# Altium PCB Board.PcbDoc (part 2 of 4)
Units mm, origin at the board's own origin, x right, y up, seen from the top; angles counter-clockwise.
Board outline 69.6 x 30 mm, 6 copper layers (Top Layer, Int1 (GND), Int2 (Sign), Int3 (Sign), Int4 (PWR), Bottom Layer), stack 1.538 mm thick; 168 components, 266 nets, 1359 pads, 531 vias.
Unrouted connection lines stored in the file: 254.
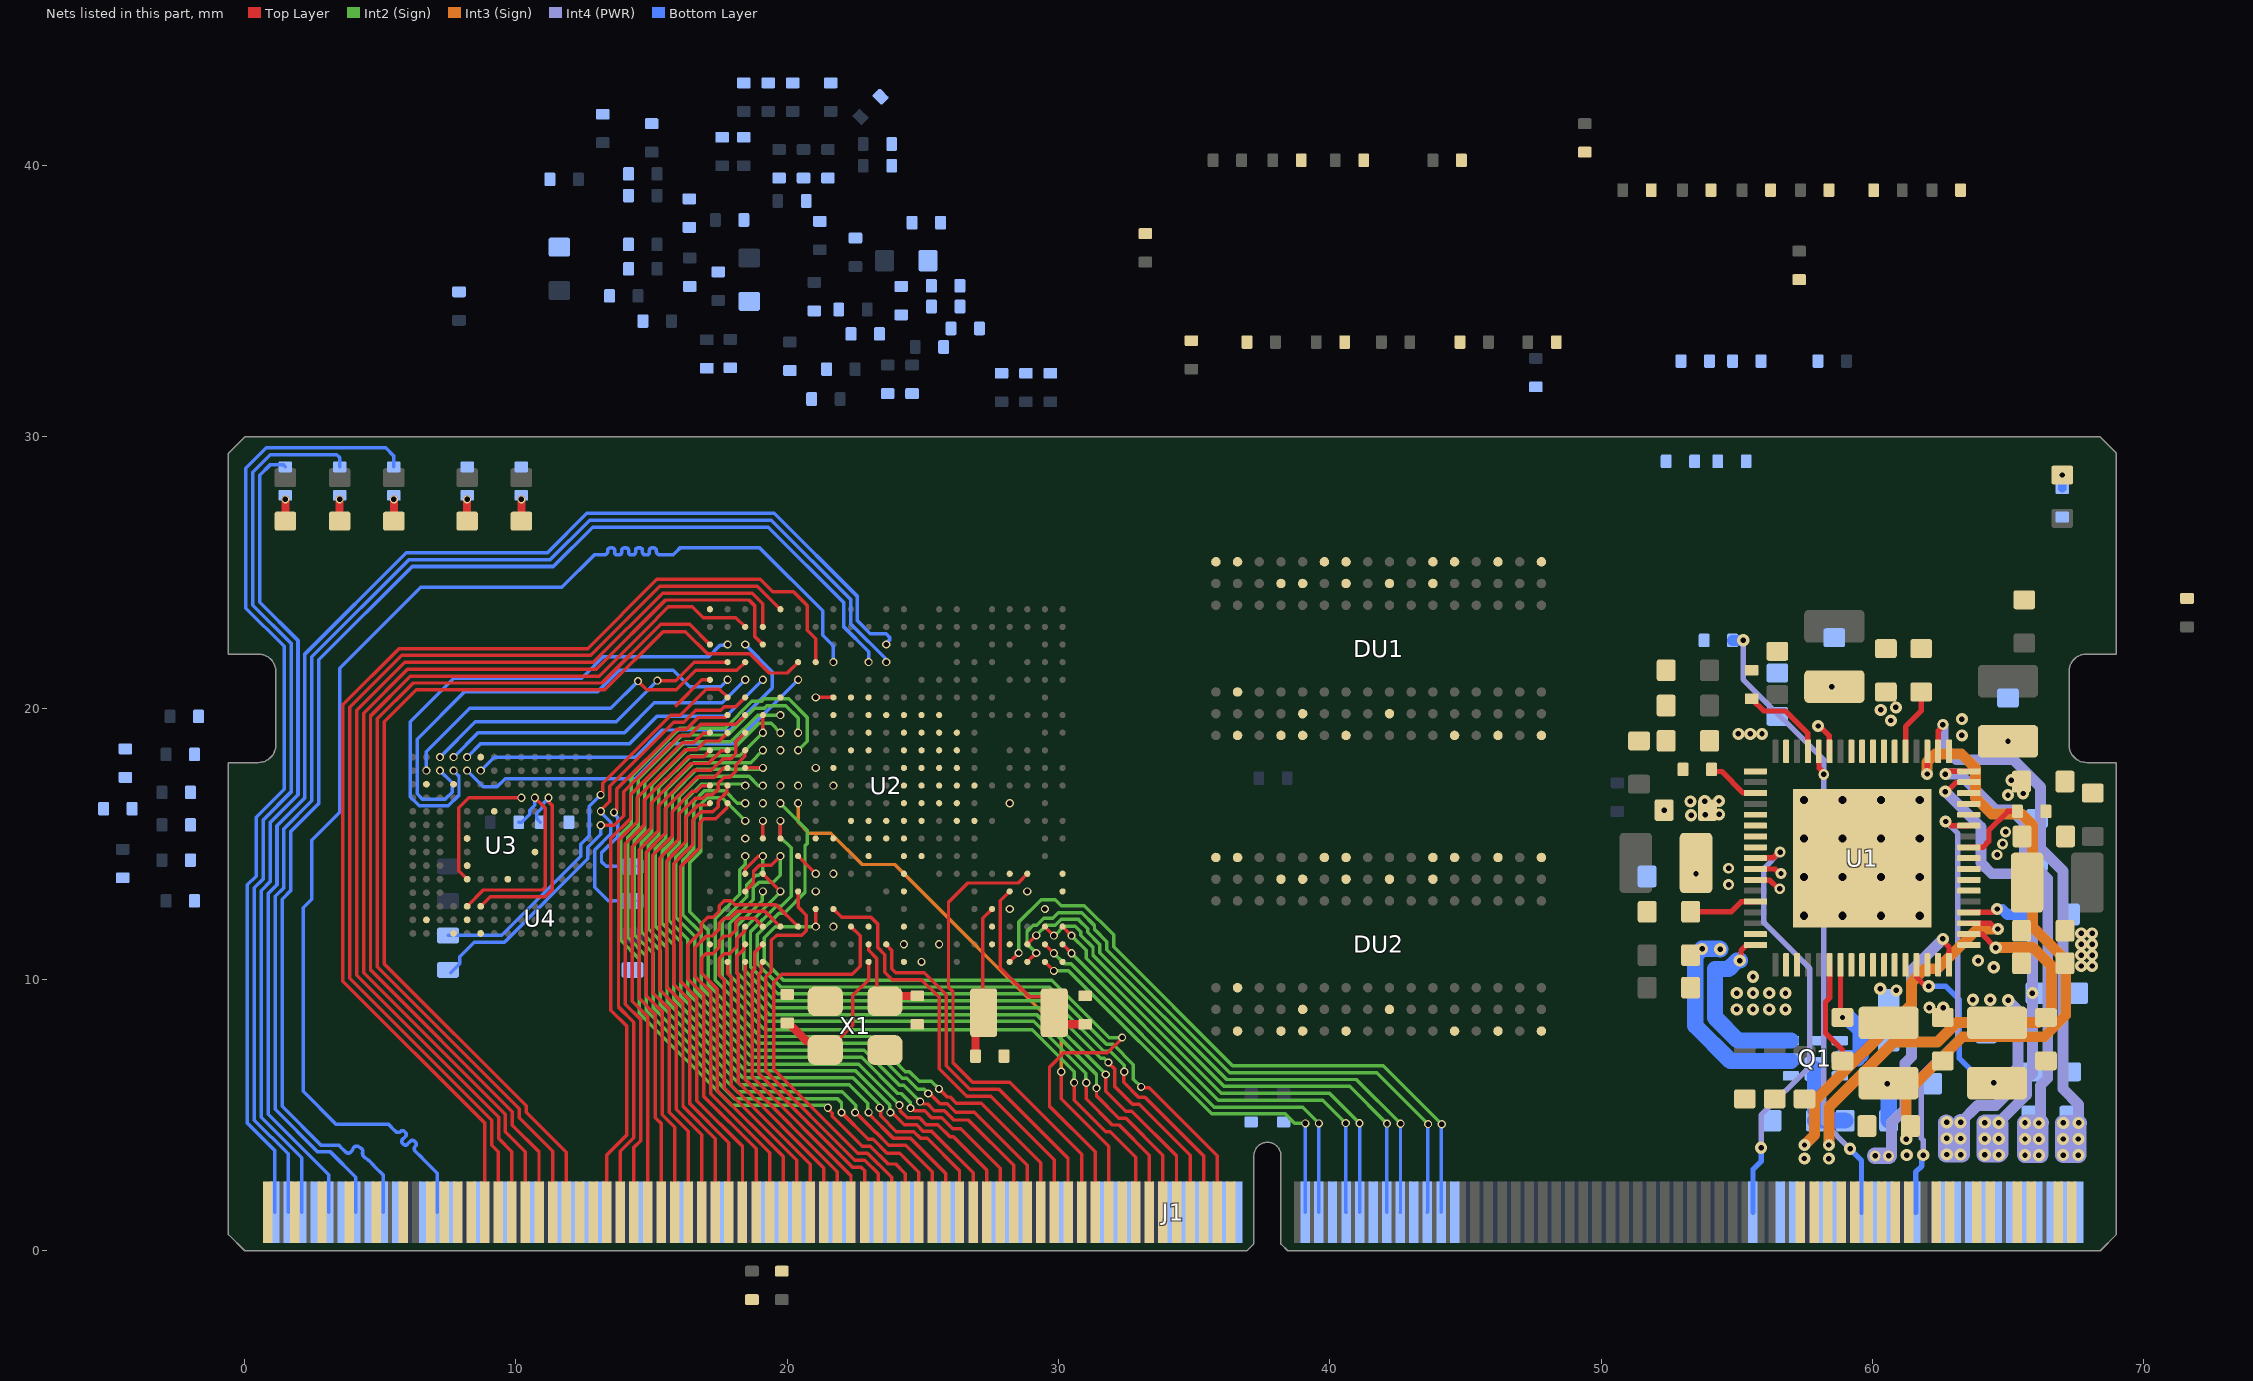
[diagram p6: the nets of this part, all layers, seen from the top]

## Part data
C1 C2 C3 C5 C25 C35 C36 C40 C41 C53 C61 C63 C67 C69 C71 C72 C73 C78 C85 C86 C97 C98 C104 C105 C118: library part C_1UF
C4 C7 C9 C10 C11 C12 C13 C17 C18 C19 C23 C24 C27 C28 C31 C32 C33 C34 C39 C44 C46 C47 C65 C84 C96 C103: library part C_10UF
C6 C8 C20 C48 C49 C50 C51 C52 C55 C68: library part C_4.7UF
C14 C15 C16 C30 C45: library part C_1NF
C21 C22: library part C_22UF
C26 C29 C37 C38 C42 C43 C54 C60 C62 C64 C66 C70 C74 C75 C76 C77 C79 C80 C81 C82 C83 C87 C88 C89 C90 C91 C92 C93 C94 C95 C99 C100 C101 C102 C106 C107 C108 C109 C110 C111 C112 C113 C114 C115 C116 C117: library part C_0.1UF
C56 C57: library part C_5PF
C58 C59: library part C_15PF
L1: library part L_1.5UH
L2 L3 L4 L5 L6: library part L_2.2UH
R1 R3 R4 R8 R27 R28: library part R_330R
R2 R16 R17: library part R_10K_P1
R5 R7: library part R_2.2K
R6 R10 R12: library part R_0R
R9: library part R_51K
R11: library part R_2R_P1
R13: library part R_47K
R14: library part R_100K_P1
R15: library part R_220K_P1
R18: library part R_33R
R19 R20 R21 R22 R23: library part R_240R_P1
R24 R25: library part R_2K_P1
R26: library part R_100R
X1: library part X_24MHZ
X2: library part X_32768HZ

## Via types
v1: diameter 0.3, hole 0.2, Top Layer to Bottom Layer, tented both sides, 363 vias
v2: diameter 0.45, hole 0.2, Top Layer to Bottom Layer, tented both sides, 117 vias
v3: diameter 0.4, hole 0.2, Top Layer to Bottom Layer, tented both sides, 35 vias
v4: diameter 0.8, hole 0.3, Top Layer to Bottom Layer, 16 vias

## Nets (pads, with @x,y where several pads share a name; then routed paths per layer and width w, separated by ;. In a path a pad name is that pad's centre, name@x,y a point inside that pad or via, vN(x,y) a via of type N, cw(c..) or ccw(c..) an arc to the next point about the centre after c; other vN are vias at no path point)
EMMC_CMD: R17.1 U2.E16 U3.M5 | length 7.8
  Top Layer w0.127: U3.M5@8.2,12.7 8.8,13.3 10.977,13.3 11.075,13.399 11.075,16.325 v1(10.7,16.7)
  Bottom Layer w0.127: R17.1@10.1,15.8 10.213,15.8 10.51,16.096 10.51,16.242 10.7,16.432 v1(10.7,16.7)
EMMC_D0: U2.B18 U3.A3 | length 12.1
  Top Layer w0.127: v1(15.212,21.018) 15.888,21.018 16.57,21.7 U2.B18@17.8,21.7
  Bottom Layer w0.127: v1(7.2,18.2) 8.501,19.501 13.699,19.501 v1(15.212,21.018) v1(15.212,21.018)
EMMC_D1: U2.C17 U3.A4 | length 11.9
  Bottom Layer w0.127: v1(7.7,18.2) 8.6,19.1 14,19.1 15.1,20.2 17.6,20.2 v1(18.45,21.05)
EMMC_D2: U2.D17 U3.A5 | length 12.1
  Bottom Layer w0.127: v1(8.2,18.2) 8.7,18.7 14.2,18.7 15.2,19.7 17.75,19.7 v1(19.1,21.05)
EMMC_D3: U2.C18 U3.B2 | length 14.1
  Top Layer w0.127: v1(14.5,21) 14.823,20.677 15.906,20.677 16.623,21.395 18.145,21.395 U2.C18@18.45,21.7
  Bottom Layer w0.127: v1(6.7,17.7) 6.7,18.4 8.3,20 13.5,20 v1(14.5,21)
EMMC_D4: U2.B17 U3.B3 | length 17.3
  Bottom Layer w0.127: v1(7.2,17.7) 7.646,17.254 7.646,16.905 7.395,16.654 6.546,16.654 6.354,16.846 6.354,18.854 8.1,20.6 13,20.6 13.8,21.4 15.8,21.4 16.4,20.8 17.55,20.8 v1(17.8,21.05)
EMMC_D5: U2.B19 U3.B4 | length 18.7
  Bottom Layer w0.127: v1(7.7,17.7) 7.9,17.5 7.9,16.8 7.5,16.4 6.441,16.4 6.1,16.741 6.1,19.5 7.7,21.1 12.42,21.1 13.22,21.9 17.1,21.9 17.522,22.322 17.778,22.322 v1@17.8,22.3
  other v1: 17.8,22.35
EMMC_D6: U2.F17 U3.B5 | length 14.1
  Bottom Layer w0.127: v1(8.2,17.7) 8.8,17.1 9.3,17.1 9.6,17.4 14.4,17.4 15.7,18.7 18.05,18.7 v1(20.4,21.05)
EMMC_D7: U2.C19 U3.B6 | length 14
  Bottom Layer w0.127: v1(8.7,17.7) 9.2,18.2 14.4,18.2 15.4,19.2 17.9,19.2 19.447,20.747 19.447,21.353 v1(18.45,22.35)
EMMC_RST: U2.H16 U3.K5 | length 5.9
  Top Layer w0.127: U3.K5@8.2,13.7 7.884,14.015 7.884,16.331 8.254,16.7 v1(10.2,16.7) ; v1(21.05,20.4) U2.H16@21.7,20.4
FLASH_CLK: U2.B16 U4.6 | length 15.3
  Top Layer w0.127: v1(13.119,16.809) 13.206,16.896 13.206,17.235 15.713,19.741 16.051,19.741 17.015,20.706 17.494,20.706 U2.B16@17.8,20.4
  Bottom Layer w0.127: U4.6@7.495,11.63 9.471,11.63 12.392,14.551 12.392,14.985 12.7,15.293 12.7,16.39 v1(13.119,16.809)
FLASH_CS: R16.2 U2.B15 U4.1 | length 9.6
  Top Layer w0.127: v1(13.613,16.161) 13.714,16.261 13.714,17.024 15.923,19.233 16.288,19.233 16.714,19.659 17.709,19.659 U2.B15@17.8,19.75
  Bottom Layer w0.127: v1(13.613,16.161) 13.613,16.114 13.754,15.974 13.754,15.269 13.154,14.669 13.154,14.346 13.33,14.17 U4.1@14.4,14.17
FLASH_MISO: U2.C16 U4.2 | length 12.3
  Top Layer w0.127: v1(13.133,16.204) 13.133,16.245 13.46,16.573 13.46,17.129 15.818,19.487 16.183,19.487 16.621,19.926 17.544,19.926 17.673,20.056 18.106,20.056 U2.C16@18.45,20.4
  Bottom Layer w0.127: v1(13.133,16.204) 13.133,16.16 13.5,15.793 13.5,15.374 12.9,14.774 12.9,13.4 13.4,12.9 U4.2@14.4,12.9
FLASH_MOSI: U2.C15 U4.5 | length 15.9
  Top Layer w0.127: v1(13.126,15.686) 13.62,15.686 13.968,16.034 13.968,16.919 16.028,18.979 16.393,18.979 16.819,19.405 18.105,19.405 U2.C15@18.45,19.75
  Bottom Layer w0.127: U4.5@7.593,10.257 7.923,10.586 7.923,10.84 8.458,11.376 9.576,11.376 12.646,14.446 12.646,14.88 13.125,15.359 v1(13.126,15.686)
GND: C1.2 C2.2 C4.1 C6.2 C7.1 C8.2 C9.1 C10.2 C11.2 C12.2 C13.1 C14.2 C15.2 C16.2 C17.2 C18.2 C19.2 C20.2 C21.1 C22.1 C23.1 C24.1 C25.1 C26.1 C27.2 C28.2 C29.1 C30.2 C31.2 C32.2 C33.2 C34.1 C35.1 C36.1 C37.1 C38.1 C39.1 C40.1 C41.1 C42.1 C43.1 C44.2 C45.2 C46.2 C47.2 C48.1 C49.1 C50.1 C51.1 C52.1 C53.1 C54.1 C55.1 C56.2 C57.2 C58.2 C59.2 C60.1 C61.1 C62.1 C63.1 C64.1 C65.2 C66.2 C67.2 C68.2 C69.1 C70.1 C71.2 C72.1 C73.1 C74.1 C75.1 C76.1 C77.1 C78.1 C79.1 C81.1 C82.1 C83.1 C84.1 C85.1 C86.2 C87.1 C88.1 C89.1 C90.1 C91.1 C92.1 C93.1 C94.1 C95.1 C96.1 C97.1 C98.2 C99.1 C100.1 C101.1 C102.1 C103.1 C104.1 C105.2 C106.1 C107.1 C108.1 C109.1 C110.1 C111.1 C112.1 C113.1 C114.1 C115.1 C116.1 C117.1 C118.1 DU1.A9 DU1.B1 DU1.B3 DU1.B9 DU1.D1 DU1.D8 DU1.E1 DU1.E2 DU1.E8 DU1.F9 DU1.G1 DU1.G8 DU1.G9 DU1.J2 DU1.J8 DU1.M1 DU1.M9 DU1.P1 DU1.P9 DU1.T1 DU1.T9 DU2.A9 DU2.B1 DU2.B3 DU2.B9 DU2.D1 DU2.D8 DU2.E1 DU2.E2 DU2.E8 DU2.F9 DU2.G1 DU2.G8 DU2.G9 DU2.J2 DU2.J8 DU2.M1 DU2.M9 DU2.P1 DU2.P9 DU2.T1 DU2.T9 J1.1 J1.5 J1.8 J1.9 J1.12 J1.13 J1.16 J1.17 J1.20 J1.21 J1.24 J1.25 J1.27 J1.28 J1.29 J1.31 J1.32 J1.36 J1.40 J1.44 J1.46 J1.47 J1.48 J1.49 J1.50 J1.56 J1.62 J1.68 J1.74 J1.76 J1.102 J1.108 J1.112 J1.118 J1.124 J1.127 J1.128 J1.134 J1.138 J1.142 J1.144 J1.150 J1.156 J1.162 J1.168 J1.219 J1.221 J1.223 J1.225 J1.227 J1.229 J1.231 J1.240 J1.242 J1.244 J1.246 J1.248 J1.250 J1.252 J1.254 J1.256 J1.258 J1.260 R1.2 R2.1 R12.1 R15.2 R19.1 R20.1 R21.1 R22.1 R23.1 R25.1 U1.6 U1.15 U1.26 U1.27 U1.42 U1.59 U1.66 U1.69 U2.A21 U2.AA1 U2.G8 U2.H8 U2.H12 U2.H15 U2.J9 U2.J13 U2.J16 U2.K7 U2.K8 U2.K9 U2.K13 U2.K14 U2.K15 U2.K16 U2.L8 U2.L9 U2.L15 U2.M5 U2.M7 U2.M8 U2.M9 U2.M10 U2.M11 U2.M12 U2.M13 U2.M14 U2.M15 U2.N7 U2.N9 U2.N10 U2.N11 U2.N12 U2.N13 U2.N14 U2.N15 U2.P10 U2.P11 U2.P12 U2.P13 U2.P14 U2.P15 U2.R9 U2.R10 U2.R11 U2.R12 U2.R13 U2.R14 U2.T9 U2.T11 U2.U3 U3.A6 U3.C4 U3.E7 U3.G5 U3.H10 U3.J5 U3.K8 U3.N2 U3.N5 U3.P4 U3.P6 U4.4 X1.3
  other v2: 67.7,10.5 68.1,10.5 67.7,10.9 68.1,10.9 67.7,11.3 68.1,11.3 67.7,11.7 68.1,11.7 52.323,16.244
  other v3: 54.7,13.5 54.7,14.1
  other v4: 57.475,12.35 58.9,12.35 60.325,12.35 61.75,12.35 57.475,13.775 58.9,13.775 60.325,13.775 61.75,13.775 57.475,15.2 58.9,15.2 60.325,15.2 61.75,15.2 57.475,16.625 58.9,16.625 60.325,16.625 61.75,16.625
LED_DISK: J1.4 R4.2 U2.M6 | length 32.8
  Bottom Layer w0.13: J1.4@1.6,1.422 1.6,3.574 0.357,4.818 0.357,13.385 0.678,13.706 0.678,15.883 1.708,16.913 1.708,22.392 0.3,23.8 0.3,28.7 0.943,29.343 3.4,29.343 3.5,29.243 R4.2@3.5,28.9
LED_ERROR: J1.6 R8.2 U2.V2 | length 30.1
  Bottom Layer w0.13: R8.2@1.5,28.9 1.431,28.969 0.931,28.969 0.557,28.594 0.557,23.906 1.965,22.498 1.965,16.807 0.935,15.777 0.935,13.6 0.613,13.278 0.613,4.924 2.1,3.437 J1.6@2.1,1.422
LED_IDENT: J1.2 R3.2 U2.U2 | length 35.3
  Bottom Layer w0.13: J1.2@1.1,1.422 1.1,3.712 0.1,4.712 0.1,13.491 0.422,13.812 0.422,15.989 1.452,17.02 1.452,22.285 0.043,23.694 0.043,28.843 0.8,29.6 5.2,29.6 5.5,29.3 R3.2@5.5,28.9
NetC1_1: C1.1 U1.47 | length 2.5
  Top Layer w0.2: C1.1@53.3,12.5 54.8,12.5 55.175,12.875 U1.47@55.69,12.875
NetC2_1: C2.1 U1.35
NetC3_1: C3.1 C4.2 C5.2 Q1.1 Q1.2 Q1.5 Q1.6 Q1.8 R6.1 R10.2 U1.50 U1.58 | length 14.9
  Top Layer w0.2: U1.58@58.825,10.54 58.825,8.675 v2(58.9,8.6)
  Bottom Layer w0.6: v2(54.395,11.114) 54.378,11.131 v2(53.725,11.131) 53.471,10.877 53.471,8.301 54.772,7 Q1.2@57,7 ; C4.2@57.9,4.8 R10.2@59,4.8 ; C4.2@57.9,5.2 Q1.8@57.9,6.7 ; Q1.5@58.8,7.1 59.45,7.1 59.575,7.225 59.575,8.125 59.1,8.6 v2(58.9,8.6)
NetC5_1: C5.1 C7.2 L1.1 R10.1 U1.57 | length 5.3
  Top Layer w0.2: U1.57@58.425,10.54 58.425,9.325 58.273,9.173 58.273,8.027 58.9,7.4 C5.1@58.9,7
  Bottom Layer w0.2: v2(60.546,6.16) C7.2@60.609,6.097 ; R10.1@60.6,4.8 R10.1@60.609,4.809
  Bottom Layer w0.6: R10.1@60.609,4.809 C7.2@60.609,6.097
NetC6_1: C6.1 U1.37 | length 1.9
  Top Layer w0.2: C6.1@54.1,17.669 54.451,17.669 55.235,16.885 55.68,16.885 U1.37@55.69,16.875
NetC8_1: C8.1 U1.31 | length 3.3
  Top Layer w0.2: C8.1@55.5,20.35 C8.1@55.55,20.35 56,19.9 56.8,19.9 57.625,19.075 U1.31@57.625,18.41
NetC9_2: C9.2 U1.62 U1.63
  other v2: 60.887,9.601 60.293,9.659
NetC13_2: C13.2 U1.22 | length 2.4
  Top Layer w0.2: U1.22@61.225,18.41 61.225,19.325 61.8,19.9 C13.2@61.8,20.6
NetC14_1: C14.1 L2.1 U1.14
  other v2: 65,18.78
NetC15_1: C15.1 L3.1 U1.24 U1.25
  other v2: 58.5,20.8
NetC16_1: C16.1 L4.1 U1.7 U1.8
NetC17_1: C17.1 C18.1 C19.1 C31.1 C32.1 C33.1 C46.1 C47.1 Q1.4 Q1.7 U1.1 U1.9 U1.13 U1.18 U1.23 U1.33 U1.39 U1.53 U1.54 U1.64
  other v2: 55,8.9 55.6,8.9 56.2,8.9 56.8,8.9 62.103,8.966 62.613,8.961 55,9.5 55.6,9.5 56.2,9.5 56.8,9.5 55.6,10.1 64.478,10.452 63.9,10.7 53.317,16.059 53.841,16.074 54.352,16.088 53.294,16.567 53.822,16.576 54.348,16.581 65,16.8 65.557,16.858 65.127,17.348 63.3,19 55.063,19.056 55.497,19.056 55.932,19.056 60.683,19.549 63.3,19.6 60.313,19.94 60.868,20.032
  other v3: 64.6,14.6 64.8,15 64.911,15.442
NetC20_1: C20.1 U1.4 | length 2.3
  Top Layer w0.2: U1.4@63.56,12.475 64.431,12.475 64.556,12.6 v2(64.6,12.6)
  Bottom Layer w0.4: v2(64.6,12.6) 64.61,12.59 64.789,12.59 64.98,12.4 C20.1@65.7,12.4
NetC30_1: C30.1 L5.1 U1.40 U1.41
  other v2: 53.5,13.9
NetC44_1: C44.1 J1.239 J1.241 L6.2 U1.67 | length 8.9
  Int4 (PWR) w0.4: v2(63.253,4.733) 63.258,4.737 63.882,5.361 64.551,5.361 65.15,5.961 65.15,6.537 65.373,6.76 65.373,8.864 65.012,9.225 v2(65.012,9.239)
  Int4 (PWR) w0.6: v2@62.725,4.729 62.725,3.551 v2(62.74,3.551) v2@63.286,3.551 ; v2@63.258,4.737 63.294,4.737 v2@63.294,3.551
  other v2: 63.253,3.547 62.74,4.144 63.253,4.14 62.74,4.737 63.708,9.256 64.349,9.256
NetC45_1: C45.1 L6.1 U1.65 | length 5.8
  Top Layer w0.2: U1.65@61.625,10.54 61.635,10.53 61.635,10.085 61.93,9.79 62.038,9.79 v2(62.077,9.752)
  Bottom Layer w0.2: v2(62.077,9.752) 62.714,9.752 63.2,9.266 63.2,7.1 63.9,6.4 C45.1@64.2,6.4
  other v2: 64.48,6.2
NetC48_2: C48.2 J1.233 J1.235 U1.20 | length 23.3
  Top Layer w0.2: v2(62.02,17.577) 62.02,18.405 U1.20@62.025,18.41
  Int3 (Sign) w0.4: v2(61.252,4.118) 61.252,5.807 63.335,7.89 66.335,7.89 67.127,8.682 67.127,10.718 65.9,11.945 65.9,15.7 65.5,16.1 64.4,16.1 63.8,16.7 63.8,17.8 63.28,18.32 62.32,18.32 62.02,18.02 v2(62.02,17.577)
  other v2: 61.269,3.528
NetC49_2: C49.2 J1.245 J1.247 U1.16 | length 19.1
  Top Layer w0.2: v2(62.687,16.93) 62.755,16.93 63.09,17.265 U1.16@63.55,17.265
  Int4 (PWR) w0.4: v2(62.687,16.93) 64,15.617 64,14.3 64.4,13.9 65.5,13.9 65.9,13.5 v2(65.9,9.5) 65.9,6.542 65.677,6.319 65.677,5.742 v2@64.663,4.728
  Int4 (PWR) w0.6: v2(64.144,4.726) v2(64.144,4.134) 64.144,3.549 64.657,3.549 64.713,3.605 64.713,4.678 64.663,4.728 64.657,4.734 v2@64.159,4.734
  other v2: 64.144,3.541 64.657,3.537 64.657,4.129 64.657,4.722
NetC50_2: C50.2 J1.251 J1.253 U1.17 | length 20.1
  Top Layer w0.2: v2(62.695,17.575) 62.763,17.575 62.863,17.675 U1.17@63.54,17.675
  Int4 (PWR) w0.4: v2(62.695,17.575) 63.225,17.575 64.552,16.248 65.118,16.248 65.6,15.766 65.6,14.578 66.465,13.714 66.465,6.361 66.204,6.101 66.204,4.724 66.196,4.716 v2(65.627,4.716)
  Int4 (PWR) w0.6: v2(65.627,4.716) v2(65.627,4.123) 65.627,3.538 v2@66.188,3.538 ; v2@65.643,4.724 v2@66.196,4.724 ; v2@66.196,3.538 66.196,4.712 66.196,4.716 v2@66.196,4.724 ; v2@66.204,4.724 v2@66.196,4.724
  other v2: 65.627,3.53 66.14,3.526 66.14,4.119 66.14,4.712
NetC51_2: C51.2 J1.257 J1.259 U1.19 | length 22.5
  Top Layer w0.2: U1.19@62.425,18.41 62.425,19.171 62.6,19.346 v3(62.6,19.4)
  Int4 (PWR) w0.4: v3(62.6,19.4) 62.6,18.6 63.098,18.102 63.444,18.102 63.445,18.1 65.2,18.1 66.2,17.1 66.2,14.827 67.027,14 67.027,5.973 67.602,5.398 v2(67.602,4.716)
  Int4 (PWR) w0.6: v2@67.033,4.708 v2(67.033,4.123) v2(67.033,3.53) v2(67.594,3.53) ; v2@67.049,4.716 v2(67.602,4.716) ; v2@67.602,3.53 v2(67.602,4.716) ; v2@67.61,4.716 v2(67.602,4.716)
  other v2: 67.594,4.123 67.041,4.716
NetC52_2: C52.2 U2.H11
  other v1: 21.7,17.15
NetC56_1: C56.1 U2.K1 X1.2 | length 5.8
  Top Layer w0.127: X1.2@21.4,7.4 21.5,7.4 22.418,8.318 22.418,9.418 23,10 U2.K1@23,10.65
  Top Layer w0.3: C56.1@20,8.4 20.05,8.4 20.727,7.723 21.077,7.723 X1.2@21.4,7.4
NetC57_1: C57.1 U2.K2 X1.1 | length 3.6
  Top Layer w0.127: U2.K2@23,11.3 23,11.082 23.306,10.777 23.306,9.495 X1.1@23.6,9.2
  Top Layer w0.3: X1.1@23.6,9.2 23.8,9.4 C57.1@24.8,9.4
NetC58_1: C58.1 U2.U4 X2.2 | length 5.7
  Top Layer w0.127: X2.2@27.241,8.778 27.206,8.814 27.206,12.255 U2.U4@27.55,12.6
  Top Layer w0.3: C58.1@26.941,7.178 26.941,8.478 X2.2@27.241,8.778
NetC59_1: C59.1 U2.V5 X2.1 | length 7.2
  Top Layer w0.127: U2.V5@28.2,13.25 27.859,12.91 27.859,10.441 28.932,9.368 29.409,9.368 29.68,9.098 29.841,8.936 X2.1@29.841,8.778
  Top Layer w0.3: X2.1@29.68,8.7 30.03,8.35 C59.1@30.98,8.35
NetC65_1: C65.1 C66.1 U2.V4
  other v1: 28.2,12.6
NetC67_1: C67.1 U2.Y4
  other v1: 29.5,12.6
NetC68_1: C68.1 R15.1 U2.W5
  other v1: 28.85,13.25
NetC78_2: C78.2 C79.2 U3.C2
NetDU1_L8: DU1.L8 R21.2
NetDU1_L9: DU1.L9 R19.2
NetDU2_L8: DU2.L8 R22.2
NetDU2_L9: DU2.L9 R20.2
NetJ1_33: J1.33 U2.G18 | length 42.5
  Top Layer w0.127: J1.33@8.85,1.422 8.85,4.713 3.622,9.941 3.622,20.136 5.687,22.201 12.646,22.201 15.197,24.752 19.007,24.752 19.459,24.3 20.232,24.3 20.744,23.787 20.744,22.873 21.05,22.568 U2.G18@21.05,21.7
NetJ1_35: J1.35 U2.E21 | length 39
  Top Layer w0.127: J1.35@9.35,1.422 9.35,3.65 9.104,3.896 9.104,4.818 3.876,10.046 3.876,20.031 5.792,21.947 12.751,21.947 15.302,24.498 18.901,24.498 U2.E21@19.75,23.65
NetJ1_37: J1.37 U2.D20 | length 38.7
  Top Layer w0.127: J1.37@9.85,1.422 9.85,3.65 9.358,4.142 9.358,4.924 4.13,10.152 4.13,19.926 5.897,21.693 12.857,21.693 15.408,24.244 18.715,24.244 19.1,23.859 U2.D20@19.1,23
NetJ1_39: J1.39 U2.D19 | length 38.7
  Top Layer w0.127: J1.39@10.35,1.422 10.35,3.645 9.612,4.383 9.612,5.029 4.384,10.257 4.384,19.821 6.003,21.439 12.962,21.439 15.513,23.99 18.591,23.99 18.794,23.787 18.794,22.656 U2.D19@19.1,22.35
NetJ1_41: J1.41 U2.C20 | length 36.6
  Top Layer w0.127: J1.41@10.85,1.422 10.85,3.646 9.866,4.63 9.866,5.134 4.638,10.362 4.638,19.716 6.108,21.185 13.067,21.185 14.761,22.88 15.618,23.736 16.504,23.736 16.9,23.341 18.11,23.341 U2.C20@18.45,23
NetJ1_43: J1.43 U2.A19 | length 34.9
  Top Layer w0.127: J1.43@11.35,1.422 11.35,3.677 10.12,4.907 10.12,5.239 4.892,10.467 4.892,19.61 6.213,20.931 13.172,20.931 15.341,23.1 16.4,23.1 U2.A19@17.15,22.35
NetJ1_45: J1.45 U2.F18 | length 38.3
  Top Layer w0.127: J1.45@11.85,1.422 11.85,3.634 10.374,5.11 10.374,5.344 5.146,10.572 5.146,19.505 6.318,20.677 13.277,20.677 15.42,22.82 16.246,22.82 17.061,22.006 18.626,22.006 19.332,21.3 20,21.3 U2.F18@20.4,21.7
NetJ1_51: J1.51 U2.A14 | length 20.1
  Top Layer w0.127: J1.51@13.35,1.422 13.35,3.532 14.092,4.274 14.092,8.28 13.5,8.872 13.5,15.207 14.222,15.929 14.222,16.814 16.133,18.725 16.546,18.725 16.9,19.08 17.13,19.08 U2.A14@17.15,19.1
NetJ1_53: J1.53 U2.B14 | length 20.3
  Top Layer w0.127: J1.53@13.85,1.422 13.85,3.673 14.346,4.169 14.346,8.421 13.78,8.988 13.78,15.127 14.476,15.823 14.476,16.709 16.239,18.471 16.671,18.471 16.994,18.794 17.494,18.794 U2.B14@17.8,19.1
NetJ1_55: J1.55 U2.A13 | length 19
  Top Layer w0.127: J1.55@14.35,1.422 14.35,3.814 14.6,4.064 14.6,8.526 14.034,9.093 14.034,15 14.73,15.696 14.73,16.603 16.344,18.217 16.917,18.217 U2.A13@17.15,18.45
NetJ1_57: J1.57 U2.B13 | length 19.2
  Top Layer w0.127: J1.57@14.85,1.422 14.854,1.426 14.854,8.632 14.288,9.198 14.288,14.895 14.984,15.591 14.984,16.498 16.449,17.963 17.095,17.963 17.562,18.43 17.78,18.43 U2.B13@17.8,18.45
NetJ1_59: J1.59 U2.C14 | length 20.2
  Top Layer w0.127: J1.59@15.35,1.422 15.35,4.695 15.142,4.903 15.142,8.703 14.542,9.303 14.542,14.79 15.238,15.486 15.238,16.393 16.554,17.709 17.201,17.709 17.636,18.144 17.927,18.144 18.105,18.323 18.105,18.755 U2.C14@18.45,19.1
NetJ1_61: J1.61 U2.B12 | length 18.5
  Top Layer w0.127: J1.61@15.85,1.422 15.85,4.554 15.396,5.008 15.396,8.808 14.796,9.408 14.796,14.684 15.5,15.389 15.5,16.296 16.659,17.455 17.277,17.455 ; 17.295,17.455 17.314,17.455 17.659,17.8 U2.B12@17.8,17.8
NetJ1_63: J1.63 U2.A11 | length 17.4
  Top Layer w0.127: J1.63@16.35,1.422 16.35,4.413 15.65,5.114 15.65,8.914 15.501,9.062 15.05,9.514 15.05,14.579 15.754,15.284 15.754,16.191 16.505,16.941 16.641,16.941 16.85,17.15 U2.A11@17.15,17.15
NetJ1_65: J1.65 U2.C13 | length 19.4
  Top Layer w0.127: J1.65@16.85,1.422 16.85,4.272 15.904,5.219 15.904,9.019 15.304,9.619 15.304,14.474 16.008,15.178 16.008,16.086 16.61,16.687 16.905,16.687 17.023,16.805 17.238,16.805 17.455,17.023 17.455,17.238 17.673,17.455 17.887,17.455 18.105,17.673 18.105,17.905 18.43,18.23 18.43,18.43 U2.C13@18.45,18.45
NetJ1_67: J1.67 U2.A10 | length 16.7
  Top Layer w0.127: U2.A10@17.15,16.5 17.083,16.433 16.715,16.433 16.262,15.98 16.262,15.073 15.558,14.369 15.558,9.724 16.158,9.124 16.158,5.324 17.35,4.132 J1.67@17.35,1.422
NetJ1_69: J1.69 U2.B11 | length 17.7
  Top Layer w0.127: U2.B11@17.8,17.15 17.78,17.13 17.78,16.912 17.5,16.632 17.5,16.606 17.455,16.561 17.455,16.373 17.261,16.179 16.82,16.179 16.516,15.875 16.516,14.968 15.812,14.264 15.812,9.829 16.263,9.378 16.412,9.229 16.412,5.429 17.85,3.991 J1.69@17.85,1.422
NetJ1_71: J1.71 U2.B10 | length 17
  Top Layer w0.127: U2.B10@17.8,16.5 17.78,16.48 17.78,16.339 17.367,15.925 16.925,15.925 16.77,15.77 16.77,14.863 16.066,14.158 16.066,9.934 16.666,9.334 16.666,5.534 18.35,3.85 J1.71@18.35,1.422
NetJ1_73: J1.73 U2.F3 | length 16.3
  Top Layer w0.127: J1.73@18.85,1.422 18.85,3.758 16.92,5.688 16.92,6.109 16.92,6.6 16.92,9.44 16.336,10.023 16.336,11.278 16.829,11.771 16.829,12.061 17.062,12.294 17.277,12.294 17.494,12.512 17.494,12.727 17.673,12.905 17.927,12.905 18.068,12.763 19.587,12.763 U2.F3@20.4,11.95
NetJ1_75: J1.75 U2.E3 | length 15
  Top Layer w0.127: J1.75@19.35,1.422 19.35,3.617 17.174,5.794 17.174,6.004 17.174,6.495 17.174,9.545 16.59,10.128 16.59,11.173 17.023,11.606 17.238,11.606 17.494,11.862 17.494,12.077 17.673,12.255 17.888,12.255 18.142,12.509 19.19,12.509 U2.E3@19.75,11.95
NetJ1_77: J1.77 U2.D3 | length 13.9
  Top Layer w0.127: U2.D3@19.1,11.95 18.794,12.255 18.247,12.255 18.105,12.114 18.105,11.823 17.888,11.606 17.673,11.606 17.494,11.427 17.494,11.194 17.255,10.955 17,10.955 16.844,10.8 16.844,10.233 17.428,9.65 17.428,5.899 19.85,3.476 J1.77@19.85,1.422
NetJ1_78: J1.78 U2.F11
  other v1: 20.4,17.15
NetJ1_79: J1.79 U2.C3 | length 12.2
  Top Layer w0.127: U2.C3@18.45,11.95 18.43,11.93 18.43,11.789 18.145,11.503 18.145,11.212 17.887,10.955 17.673,10.955 17.494,10.777 17.494,10.165 17.682,9.978 17.682,6.004 20.35,3.336 J1.79@20.35,1.422
NetJ1_80: J1.80 U2.G12
  other v1: 21.05,17.8
NetJ1_81: J1.81 U2.B1 | length 10.5
  Top Layer w0.127: U2.B1@17.8,10.65 17.8,10.218 17.936,10.083 17.936,6.109 20.85,3.195 J1.81@20.85,1.422
NetJ1_83: J1.83 U2.C2 | length 11.3
  Top Layer w0.127: U2.C2@18.45,11.3 18.399,11.248 18.399,11.107 18.145,10.853 18.145,10.233 18.19,10.188 18.19,6.214 21.35,3.054 J1.83@21.35,1.422
NetJ1_84: J1.84 U2.M3
NetJ1_85: J1.85 U2.C1 | length 10.6
  Top Layer w0.127: U2.C1@18.45,10.65 18.45,10.3 18.444,10.293 18.444,6.32 21.842,2.921 21.842,1.43 J1.85@21.85,1.422
NetJ1_86: J1.86 U2.H6
  other v1: 21.7,13.9
NetJ1_87: J1.87 U2.D2 | length 11.6
  Top Layer w0.127: U2.D2@19.1,11.3 18.794,10.994 18.794,10.4 18.704,10.31 18.704,6.418 22.35,2.772 J1.87@22.35,1.422
NetJ1_89: J1.89 U2.D1 | length 11.1
  Top Layer w0.127: U2.D1@19.1,10.65 19.048,10.598 19.048,10.295 18.958,10.204 18.958,6.524 22.409,3.073 22.727,3.073 22.85,2.95 J1.89@22.85,1.422
NetJ1_90: J1.90 U2.D10
  other v1: 19.1,16.5
NetJ1_91: J1.91 U2.F5 | length 15
  Top Layer w0.127: U2.F5@20.4,13.25 20.4,12.676 20.706,12.37 20.706,11.806 20.54,11.64 19.609,11.64 19.409,11.441 19.409,11.4 19.405,11.396 19.405,10.293 19.212,10.099 19.212,6.629 22.495,3.346 22.854,3.346 23.35,2.85 J1.91@23.35,1.422
NetJ1_92: J1.92 U2.C8
  other v1: 18.45,15.2
NetJ1_93: J1.93 U2.J3 | length 15.5
  Top Layer w0.127: U2.J3@22.35,11.95 22.69,11.609 22.69,10.49 22.4,10.2 19.8,10.2 19.5,9.9 19.5,6.7 22.6,3.6 22.959,3.6 23.85,2.709 J1.93@23.85,1.422
NetJ1_94: J1.94 U2.E11
  other v1: 19.75,17.15
NetJ1_95: J1.95 U2.F13 | length 32.1
  Top Layer w0.127: v1(21.5,5.273) 21.5,5.227 21.659,5.067 21.659,4.959 22.764,3.854 23.065,3.854 23.718,3.2 24,3.2 24.353,2.847 J1.95@24.353,1.475
  Int2 (Sign) w0.127: v1(20.4,18.45) 20.741,18.79 20.741,19.659 20.055,20.345 19.145,20.345 19.058,20.258 18.699,20.258 17.709,19.268 16.03,19.268 14.246,17.484 14.246,15.738 13.86,15.352 13.86,11.448 14.552,10.756 14.552,8.756 17.948,5.36 v1@21.397,5.36 ; v1@21.484,5.273 v1(21.5,5.273)
NetJ1_96: J1.96 U2.E13
  other v1: 19.75,18.45
NetJ1_97: J1.97 U2.F14 | length 30.9
  Top Layer w0.127: v1(22,5.1) 22.992,4.108 23.17,4.108 23.678,3.6 24.15,3.6 24.85,2.9 J1.97@24.85,1.422
  Int2 (Sign) w0.127: v1(20.4,19.1) 20.4,19.641 19.95,20.091 19.25,20.091 19.163,20.004 18.804,20.004 17.814,19.014 16.136,19.014 14.5,17.379 14.5,15.633 14.114,15.247 14.114,11.553 14.806,10.861 14.806,8.861 18.053,5.614 21.841,5.614 22,5.455 v1(22,5.1)
NetJ1_99: J1.99 U2.E15 | length 29.3
  Top Layer w0.127: v1(22.5,5.1) 22.52,5.1 23.258,4.362 23.275,4.362 23.749,3.888 24.375,3.888 25.35,2.913 J1.99@25.35,1.422
  Int2 (Sign) w0.127: v1(19.75,19.75) 18.909,19.75 17.92,18.76 16.241,18.76 14.754,17.274 14.754,15.528 14.368,15.142 14.368,11.658 15.06,10.966 15.06,8.966 18.158,5.868 22.033,5.868 22.533,5.368 22.533,5.133 v1(22.5,5.1)
NetJ1_100: J1.100 U2.D8 | length 0.6
  Top Layer w0.127: U2.D8@19.1,15.2 v1(19.1,15.85)
NetJ1_101: J1.101 U2.E14 | length 29.1
  Top Layer w0.127: v1(23.001,5.101) 23.001,5.059 23.918,4.142 24.558,4.142 25.85,2.85 J1.101@25.85,1.422
  Int2 (Sign) w0.127: v1(19.75,19.1) 19.409,19.441 18.959,19.441 18.025,18.506 16.346,18.506 15.008,17.168 15.008,15.422 14.622,15.036 14.622,11.764 15.314,11.072 15.314,9.072 18.264,6.122 22.284,6.122 22.968,5.438 22.968,5.134 v1(23.001,5.101)
NetJ1_103: J1.103 U2.D15 | length 28.8
  Top Layer w0.127: v1(19.1,19.1) U2.D15@19.1,19.75 ; v1(23.408,5.27) 23.441,5.236 23.441,4.977 24.023,4.396 24.664,4.396 24.913,4.146 25.154,4.146 26.35,2.95 J1.103@26.35,1.422
  Int2 (Sign) w0.127: v1(19.1,19.1) 18.252,18.252 16.451,18.252 15.262,17.063 15.262,15.317 14.876,14.931 14.876,11.869 15.568,11.177 15.568,9.177 18.369,6.376 22.424,6.376 23.408,5.392 v1(23.408,5.27)
NetJ1_105: J1.105 U2.D13 | length 27.6
  Top Layer w0.127: v1(23.8,5.1) 23.847,5.1 23.933,5.014 23.946,5.014 24.31,4.65 24.769,4.65 25.018,4.4 25.322,4.4 26.85,2.872 J1.105@26.85,1.422
  Int2 (Sign) w0.127: v1(19.1,18.45) 18.648,17.998 16.556,17.998 15.516,16.958 15.516,15.212 15.13,14.826 15.13,11.974 15.822,11.282 15.822,9.282 18.474,6.63 22.529,6.63 23.783,5.376 v1@23.783,5.117 ; v1@23.767,5.133 v1(23.8,5.1)
NetJ1_107: J1.107 U2.C12 | length 27.9
  Top Layer w0.127: U2.C12@18.45,17.8 v1(19.1,17.8) ; v1(24.133,5.373) 24.166,5.339 24.166,5.156 24.418,4.904 24.874,4.904 25.124,4.654 25.546,4.654 26,4.2 26.129,4.2 27.35,2.979 J1.107@27.35,1.422
  Int2 (Sign) w0.127: v1(19.1,17.8) 19.044,17.744 16.662,17.744 15.77,16.853 15.77,15.107 15.384,14.721 15.384,12.079 16.076,11.387 16.076,9.387 18.579,6.884 22.634,6.884 24.133,5.386 v1(24.133,5.373)
NetJ1_109: J1.109 U2.D11 | length 27.2
  Top Layer w0.127: v1(24.544,5.259) 24.591,5.259 24.692,5.158 25.067,5.158 25.317,4.908 25.692,4.908 26.1,4.5 26.4,4.5 27.85,3.05 J1.109@27.85,1.422
  Int2 (Sign) w0.127: v1(19.1,17.15) 18.932,17.15 18.591,17.49 16.767,17.49 16.024,16.748 16.024,15.002 15.638,14.616 15.638,12.184 16.33,11.492 16.33,9.492 18.684,7.138 22.74,7.138 24.078,5.8 24.2,5.8 24.544,5.455 v1(24.544,5.259) ; v1@24.505,5.229 v1@24.525,5.209
NetJ1_110: J1.110 J1.143 U2.G5
  other v1: 21.05,13.25
NetJ1_111: J1.111 U2.C11 | length 26.1
  Top Layer w0.127: v1(24.898,5.498) 24.945,5.498 25.031,5.412 25.173,5.412 25.422,5.162 25.797,5.162 26.137,4.822 26.678,4.822 28.35,3.15 J1.111@28.35,1.422
  Int2 (Sign) w0.127: v1(18.45,17.15) 18.392,17.208 16.844,17.208 16.278,16.642 16.278,14.896 15.892,14.51 15.892,12.29 16.584,11.598 16.584,9.598 18.79,7.392 22.845,7.392 24.137,6.1 24.296,6.1 v1(24.898,5.498)
NetJ1_113: J1.113 U2.C10 | length 26
  Top Layer w0.127: v1(25.2,5.8) 25.247,5.8 25.631,5.416 25.902,5.416 26.21,5.108 26.892,5.108 28.85,3.15 J1.113@28.85,1.422
  Int2 (Sign) w0.127: v1(18.45,16.5) 18.159,16.5 17.705,16.954 16.949,16.954 16.555,16.561 16.555,14.815 16.146,14.405 16.146,12.395 16.838,11.703 16.838,9.703 18.895,7.646 22.95,7.646 24.242,6.354 24.401,6.354 24.805,5.95 25.05,5.95 v1(25.2,5.8)
NetJ1_115: J1.115 U2.C9 | length 26
  Top Layer w0.127: v1(25.593,5.969) 25.892,5.67 26.008,5.67 26.232,5.446 27.154,5.446 29.35,3.25 J1.115@29.35,1.422
  Int2 (Sign) w0.127: v1(18.45,15.85) 17.6,16.7 17.054,16.7 16.809,16.455 16.809,14.709 16.4,14.3 16.4,12.5 17.092,11.808 17.092,9.808 19,7.9 23.055,7.9 23.955,7 24.347,6.608 24.507,6.608 24.863,6.252 25.31,6.252 v1(25.593,5.969)
NetJ1_117: J1.117 U2.H4 | length 16.3
  Top Layer w0.127: U2.H4@21.7,12.6 22.005,12.294 23.088,12.294 23.344,12.038 23.344,11.173 23.6,10.918 23.6,10.274 23.874,10 24.941,10 25.6,9.341 25.6,6.718 26.618,5.7 27.5,5.7 29.85,3.35 J1.117@29.85,1.422
NetJ1_119: J1.119 U2.L2 | length 13.9
  Top Layer w0.127: U2.L2@23.65,11.3 23.65,11.276 23.854,11.072 23.854,10.405 24.005,10.254 25.046,10.254 25.854,9.446 25.854,6.824 26.724,5.954 27.806,5.954 30.35,3.41 J1.119@30.35,1.422
NetJ1_121: J1.121 U2.W6 | length 17.6
  Top Layer w0.127: U2.W6@28.85,13.9 28.509,13.559 26.659,13.559 25.944,12.844 25.944,9.715 26.109,9.55 26.109,6.927 26.829,6.208 28.197,6.208 30.85,3.555 J1.121@30.85,1.422
NetJ1_123: J1.123 U2.G4 | length 27.1
  Top Layer w0.127: v1(21.05,11.95) U2.G4@21.05,12.6 ; J1.123@31.35,1.422 31.35,3.65 29.667,5.333 29.667,6.767 30.2,7.3 31.8,7.3 32.342,7.842 v1(32.342,7.864)
  Int2 (Sign) w0.127: v1(21.05,11.95) 19.559,11.95 19.154,11.545 19.154,10.687 19.861,9.98 29.757,9.98 31.875,7.862 32.34,7.862 v1(32.342,7.864)
NetJ1_125: J1.125 U2.F10 | length 21
  Top Layer w0.127: v1(30.1,6.6) 30.1,5.6 31.85,3.85 J1.125@31.85,1.422
  Int3 (Sign) w0.127: v1(20.4,16.5) 20.4,15.8 20.8,15.4 21.6,15.4 22.76,14.24 23.96,14.24 30.1,8.1 v1(30.1,6.6)
NetJ1_126: J1.126 U2.H3
  other v1: 21.7,11.95
NetJ1_129: J1.129 U2.C7 | length 25.9
  Top Layer w0.127: v1(30.573,6.2) 30.573,5.549 31.738,4.384 31.909,4.384 32.85,3.443 J1.129@32.85,1.422
  Int2 (Sign) w0.127: v1(18.45,14.55) 18.45,14.25 18.246,14.046 18.246,13.151 17.346,12.251 17.346,9.98 19.172,8.154 29.028,8.154 30.573,6.609 v1(30.573,6.2)
NetJ1_131: J1.131 U2.C6 | length 27.3
  Top Layer w0.127: U2.C6@18.45,13.9 18.45,14.068 18.932,14.55 v1(19.1,14.55) ; v1(31.021,6.197) 31.021,5.602 31.985,4.638 32.232,4.638 33.35,3.52 J1.131@33.35,1.422
  Int2 (Sign) w0.127: v1(19.1,14.55) 19.1,14 18.945,13.845 18.854,13.845 18.5,13.491 18.5,13.046 17.6,12.146 17.6,10.086 19.229,8.456 29.085,8.456 31,6.541 31,6.218 v1(31.021,6.197)
NetJ1_133: J1.133 U2.C5 | length 28.8
  Top Layer w0.127: U2.C5@18.45,13.25 18.756,13.556 18.756,13.988 18.977,14.209 19.409,14.209 v1(19.75,14.55) ; v1(31.4,6) 31.4,5.709 32.217,4.892 32.488,4.892 33.85,3.53 J1.133@33.85,1.422
  Int2 (Sign) w0.127: v1(19.75,14.55) 19.75,13.85 19.491,13.591 18.959,13.591 18.754,13.386 18.754,12.941 17.884,12.071 17.884,10.161 19.335,8.71 29.19,8.71 31.4,6.5 v1(31.4,6)
NetJ1_135: J1.135 U2.D5 | length 24.8
  Top Layer w0.127: v1(31.741,6.5) 31.741,5.885 32.48,5.146 32.704,5.146 34.35,3.5 J1.135@34.35,1.422
  Int2 (Sign) w0.127: v1(19.1,13.25) 19.082,13.232 19.082,12.91 18.138,11.966 18.138,10.266 19.44,8.964 29.295,8.964 31.741,6.519 v1(31.741,6.5)
NetJ1_136: J1.136 U2.K3
NetJ1_137: J1.137 U2.D6 | length 26.1
  Top Layer w0.127: U2.D6@19.1,13.9 v1(19.75,13.25) ; v1(31.841,6.941) 32.081,6.699 32.081,6.053 32.729,5.406 32.979,5.406 32.979,5.4 34.85,3.529 J1.137@34.85,1.422
  Int2 (Sign) w0.127: v1(19.75,13.25) 19.75,13.218 18.392,11.86 18.392,10.371 19.545,9.218 29.441,9.218 31.559,7.1 31.682,7.1 v1(31.841,6.941)
NetJ1_139: J1.139 U2.E8 | length 29
  Top Layer w0.127: U2.E8@19.75,15.2 v1(19.75,15.85) ; v1(32.421,6.6) 32.4,6.579 32.4,6.21 32.95,5.66 33.187,5.66 35.35,3.497 J1.139@35.35,1.422
  Int2 (Sign) w0.127: v1(19.75,15.85) 19.75,15.25 20.146,14.854 20.146,13.064 19.782,12.7 19.591,12.7 18.646,11.755 18.646,10.476 19.65,9.472 29.546,9.472 31.664,7.354 31.909,7.354 32.421,6.842 v1(32.421,6.6)
NetJ1_140: J1.140 U2.M2
  other v1: 24.3,11.3
NetJ1_141: J1.141 U2.E10 | length 29.5
  Top Layer w0.127: v1(33.046,6.045) 33.079,6.012 33.338,6.012 35.85,3.5 J1.141@35.85,1.422
  Int2 (Sign) w0.127: v1(19.75,16.5) 20.741,15.509 20.741,15.014 20.654,14.927 20.654,13.213 19.887,12.446 19.696,12.446 18.9,11.65 18.9,10.582 19.756,9.726 29.652,9.726 31.77,7.608 32.014,7.608 32.762,6.86 32.762,6.329 v1(33.046,6.045)
NetJ1_146: J1.146 U2.Y1 | length 15.3
  Top Layer w0.127: U2.Y1@29.5,10.65 v1(29.829,10.321)
  Int2 (Sign) w0.127: v1(29.829,10.321) 30.368,10.321 35.642,5.046 38.354,5.046 38.7,4.7 v1(39.1,4.7)
  Bottom Layer w0.127: J1.146@39.1,1.422 v1(39.1,4.7)
NetJ1_148: J1.148 U2.Y2 | length 16.1
  Top Layer w0.127: U2.Y2@29.5,11.3 v1(29.829,10.971)
  Int2 (Sign) w0.127: v1(29.829,10.971) 30.225,10.575 30.473,10.575 35.748,5.3 39,5.3 v1(39.6,4.7)
  Bottom Layer w0.127: J1.148@39.6,1.422 v1(39.6,4.7)
NetJ1_152: J1.152 U2.AA2 | length 16.5
  Top Layer w0.127: U2.AA2@30.15,11.3 v1(30.479,10.971)
  Int2 (Sign) w0.127: v1(30.479,10.971) 30.479,10.962 35.887,5.554 39.742,5.554 v1(40.589,4.706)
  Bottom Layer w0.127: v1(40.589,4.706) 40.595,4.701 40.595,1.427 J1.152@40.6,1.422
NetJ1_154: J1.154 U2.AA3 | length 17.4
  Top Layer w0.127: U2.AA3@30.15,11.95 v1(30.479,11.621)
  Int2 (Sign) w0.127: v1(30.479,11.621) 31.017,11.083 31.017,10.783 35.992,5.808 39.988,5.808 v1(41.095,4.701)
  Bottom Layer w0.127: v1(41.095,4.701) 41.097,4.699 41.097,1.425 J1.154@41.1,1.422
NetJ1_158: J1.158 U2.Y3 | length 19.4
  Top Layer w0.127: U2.Y3@29.5,11.95 v1(29.829,11.621)
  Int2 (Sign) w0.127: v1(29.829,11.621) 29.86,11.621 30.2,11.961 30.62,11.961 30.819,11.762 30.819,11.639 31.271,11.188 31.271,10.89 36.099,6.062 40.734,6.062 v1(42.108,4.688)
  Bottom Layer w0.127: J1.158@42.1,1.422 42.104,1.426 42.104,4.684 v1(42.108,4.688)
NetJ1_160: J1.160 U2.W2 | length 20.8
  Top Layer w0.127: U2.W2@28.85,11.3 v1(29.179,11.629)
  Int2 (Sign) w0.127: v1(29.179,11.629) 29.556,12.005 29.885,12.005 30.095,12.215 30.744,12.215 30.744,12.196 31.073,11.867 31.073,11.745 31.525,11.293 31.525,10.995 36.204,6.316 40.98,6.316 v1(42.613,4.683)
  Bottom Layer w0.127: J1.160@42.6,1.422 42.607,1.429 42.607,4.676 v1(42.613,4.683)
NetJ1_164: J1.164 U2.W1 | length 23.2
  Top Layer w0.127: U2.W1@28.85,10.65 v1(29.179,10.979)
  Int2 (Sign) w0.127: v1(29.179,10.979) 28.839,11.319 28.839,11.77 29.073,12.004 29.196,12.004 29.451,12.259 29.78,12.259 29.99,12.469 30.849,12.469 31.327,11.991 31.327,11.85 31.779,11.398 31.779,11.101 36.31,6.57 41.726,6.57 v1(43.624,4.672)
  Bottom Layer w0.127: J1.164@43.6,1.422 43.612,1.434 43.612,4.66 v1(43.624,4.672)
NetJ1_166: J1.166 U2.V1 | length 24.5
  Top Layer w0.127: U2.V1@28.2,10.65 v1@28.529,10.979
  Int2 (Sign) w0.127: v1(28.529,10.979) 28.54,10.99 28.54,12.122 29.359,12.94 29.883,12.94 30.1,12.723 30.955,12.723 32.033,11.645 32.033,11.206 36.415,6.824 41.972,6.824 v1(44.129,4.667)
  Bottom Layer w0.127: J1.166@44.1,1.422 44.115,1.437 44.115,4.652 v1(44.129,4.667)
NetJ1_212: J1.212 U1.43 U2.V6 | length 16.1
  Top Layer w0.2: U1.43@55.69,14.475 55.7,14.485 56.331,14.485 56.546,14.7 v3(56.6,14.7)
  Int4 (PWR) w0.2: v2(55.9,3.8) 55.9,5 57.7,6.8 57.7,10.4 56,12.1 56,14.1 v3(56.6,14.7)
  Bottom Layer w0.2: J1.212@55.6,1.422 55.6,3 55.9,3.3 v2(55.9,3.8)
NetJ1_216: J1.216 J1.218 U1.3 | length 12.8
  Top Layer w0.2: U1.3@63.56,12.075 64.349,12.075 64.561,11.863 v2(64.629,11.863)
  Int3 (Sign) w0.4: v2(57.5,3.9) 57.873,4.273 57.873,5.518 61.439,9.084 61.439,9.895 61.944,10.4 62.4,10.4 63.853,11.853 64.619,11.853 v2(64.629,11.863)
  other v2: 57.498,3.402
NetJ1_222: J1.222 J1.224 U1.2 | length 16.2
  Top Layer w0.2: U1.2@63.56,11.675 63.57,11.665 64.054,11.665 v2(64.547,11.172)
  Int3 (Sign) w0.4: v2(58.4,3.9) 58.4,5.3 60.8,7.7 62.4,7.7 63.117,8.417 66.117,8.417 66.6,8.9 66.6,10.5 65.919,11.181 64.557,11.181 v2(64.547,11.172)
  other v2: 58.4,3.4
NetJ1_228: J1.228 R2.2 U1.30 | length 24.2
  Top Layer w0.2: U1.30@58.025,18.41 58.035,18.4 58.035,17.794 58.211,17.618 v3(58.211,17.564)
  Int4 (PWR) w0.2: v2(55.239,22.504) 55.239,21.061 58.211,18.089 58.211,4.731 v2(59.182,3.761)
  Bottom Layer w0.2: v2(59.182,3.761) 59.182,3.749 59.6,3.33 J1.228@59.6,1.422
  Bottom Layer w0.4: R2.2@54.85,22.5 54.85,22.504 v2(55.239,22.504)
NetJ1_230: J1.230 J1.232 U1.68 | length 10.4
  Top Layer w0.2: v2(62.6,11.5) 62.6,11.426 62.825,11.201 U1.68@62.825,10.54
  Int4 (PWR) w0.4: v3(60.6,3.5) 60.7,3.6 60.7,4.717 61.2,5.218 61.2,6.915 61.439,7.154 61.439,10.339 v2(62.6,11.5)
  Int4 (PWR) w0.6: v3(60.1,3.5) v3(60.6,3.5)
NetJ1_236: J1.236 U1.12 | length 16.2
  Top Layer w0.2: v2(62.7,15.827) 62.754,15.827 62.906,15.675 U1.12@63.56,15.675
  Int4 (PWR) w0.2: v2(61.876,3.528) 61.876,4.077 61.8,4.153 61.8,6.5 63.152,7.852 63.152,15.375 v2(62.7,15.827)
  Bottom Layer w0.2: J1.236@61.6,1.422 61.597,1.425 61.597,2.901 61.828,3.133 61.828,3.48 v2(61.876,3.528)
NetL1_2: L1.2 U1.60 U1.61
NetLED1_2: LED1.2 R1.1 | length 0.5
  Bottom Layer w0.3: R1.1@67,28.1 v3(67,28.6)
NetLED2_2: LED2.2 R3.1 | length 0.8
  Top Layer w0.3: LED2.2@5.5,26.9 v1(5.5,27.7)
NetLED3_2: LED3.2 R4.1 | length 0.8
  Top Layer w0.3: LED3.2@3.5,26.9 v1(3.5,27.7)
NetLED4_2: LED4.2 R8.1 | length 0.8
  Top Layer w0.3: LED4.2@1.5,26.9 v1(1.5,27.7)
NetLED5_2: LED5.2 R27.1 | length 0.8
  Top Layer w0.3: LED5.2@8.2,26.9 v1(8.2,27.7)
NetLED6_2: LED6.2 R28.1 | length 0.8
  Top Layer w0.3: LED6.2@10.2,26.9 v1(10.2,27.7)
NetQ1_3: Q1.3 U1.51 | length 7
  Top Layer w0.2: v2(55.113,10.698) 55.158,10.743 55.158,11.063 55.37,11.275 U1.51@55.69,11.275
  Bottom Layer w0.6: v2(55.113,10.698) 55.008,10.698 54.696,10.387 54.198,10.387 54.198,8.602 55.05,7.75 Q1.3@57,7.75
NetR5_1: R5.1 U1.45 U2.M1 | length 1
  Top Layer w0.2: U1.45@55.69,13.675 55.7,13.665 56.214,13.665 56.532,13.347 v3(56.586,13.347)
NetR7_1: R7.1 U1.44 U2.N1 | length 1
  Top Layer w0.2: U1.44@55.69,14.075 56.42,14.075 56.587,13.908 v3(56.633,13.908)
  other v1: 24.95,10.65
NetR9_1: R9.1 U1.29 U2.P2 | length 1.1
  Top Layer w0.2: v2(58.001,19.346) 58.054,19.346 58.415,18.985 58.415,18.42 U1.29@58.425,18.41
  other v1: 25.6,11.3
NetR12_2: R12.2 U1.10 | length 2.6
  Top Layer w0.2: U1.10@63.56,14.875 64.075,14.875 64.3,15.1 64.3,15.508 64.992,16.2 R12.2@65.35,16.2
NetR13_1: R13.1 U2.AA6
NetR14_1: R14.1 U2.AA5
NetR18_1: R18.1 U2.A17 | length 1.6
  Top Layer w0.127: 15.9,20.1 16.844,21.044 17.144,21.044 U2.A17@17.15,21.05
NetR18_2: R18.2 U3.M6 | length 7.3
  Top Layer w0.127: U3.M6@8.7,12.7 9.046,13.046 11.082,13.046 11.329,13.294 11.329,16.43 v1@11.2,16.559
  Bottom Layer w0.127: R18.2@10.9,15.8 10.764,15.936 10.764,16.136 10.965,16.338 10.965,16.453 11.2,16.688 v1(11.2,16.7)
NetR23_2: R23.2 U2.V10
  other v1: 28.2,16.5
NetR27_2: R27.2 U2.A2
NetR28_2: R28.2 U2.F7 | length 0.9
  Top Layer w0.127: U2.F7@20.4,14.55 v1(21.05,13.9)
RGMII_CLKIN: J1.18 U2.K18 | length 48.6
  Bottom Layer w0.13: J1.18@5.1,1.422 5.1,2.8 4.796,3.104 4.749,3.151 4.603,3.297 4.567,3.333 ccw(c4.405,3.171) 4.538,3.357 4.432,3.433 cw(c4.565,3.62) 4.337,3.594 ccw(c4.224,3.665) 4.295,3.779 4.198,3.84 ccw(c4.126,3.726) 4.013,3.798 3.929,3.666 cw(c3.816,3.737) 3.721,3.642 3.54,3.823 3.493,3.87 3.463,3.9 2.805,3.9 1.383,5.323 1.383,12.96 1.704,13.281 1.704,15.458 2.735,16.488 2.735,21.788 6.173,25.226 11.375,25.226 12.827,26.678 19.306,26.678 22.076,23.908 22.076,23.012 23,22.088 v1(23,21.7)
RGMII_MDC: J1.14 U2.L18 | length 48.6
  Bottom Layer w0.13: J1.14@4.1,1.422 4.1,2.706 3.162,3.643 2.699,3.643 1.126,5.216 1.126,13.066 1.448,13.387 1.448,15.564 2.478,16.594 2.478,21.894 6.066,25.483 11.269,25.483 12.721,26.935 19.412,26.935 22.333,24.015 22.333,23.119 23.701,21.751 v1(23.65,21.7)
RGMII_MDIO: J1.10 U2.L19 | length 48.5
  Bottom Layer w0.13: J1.10@3.1,1.422 3.1,2.8 0.87,5.03 0.87,13.172 1.191,13.494 1.191,15.67 2.222,16.701 2.222,22.001 5.96,25.739 11.162,25.739 12.615,27.192 19.519,27.192 22.589,24.121 22.589,23.225 23.063,22.751 23.644,22.751 23.771,22.624 23.771,22.517 23.65,22.396 v1(23.65,22.35) v1@23.683,22.383
RGMII_RX0: J1.26 U2.H18 | length 48.6
  Bottom Layer w0.13: J1.26@7.1,1.422 7.1,2.863 6.564,3.399 6.518,3.445 6.29,3.673 cw(c6.382,3.764) 6.289,3.855 6.301,3.867 ccw(c6.237,3.93) 6.299,3.994 6.245,4.048 ccw(c6.182,3.984) 6.118,4.047 5.995,3.922 cw(c5.931,3.985) 5.868,3.921 5.813,3.975 cw(c5.876,4.039) 5.812,4.102 5.935,4.226 ccw(c5.87,4.289) 5.933,4.353 5.878,4.407 ccw(c5.816,4.343) 5.751,4.406 5.747,4.401 cw(c5.654,4.492) 5.563,4.4 5.439,4.524 5.393,4.57 5.305,4.658 3.377,4.658 2.152,5.882 2.152,12.641 2.474,12.962 2.474,15.139 3.504,16.169 3.504,21.469 6.491,24.457 11.694,24.457 12.894,25.657 13.187,25.657 13.251,25.657 ccw(c13.251,25.786) 13.381,25.786 13.381,25.819 cw(c13.471,25.819) 13.471,25.909 13.548,25.909 cw(c13.548,25.819) 13.638,25.819 13.638,25.746 ccw(c13.727,25.746) 13.727,25.657 13.804,25.657 ccw(c13.804,25.746) 13.894,25.746 13.894,25.819 cw(c13.984,25.819) 13.984,25.909 14.061,25.909 cw(c14.061,25.819) 14.151,25.819 14.151,25.746 ccw(c14.24,25.746) 14.24,25.657 14.317,25.657 ccw(c14.317,25.746) 14.407,25.746 14.407,25.819 cw(c14.497,25.819) 14.497,25.909 14.574,25.909 cw(c14.574,25.819) 14.664,25.819 14.664,25.746 ccw(c14.754,25.746) 14.754,25.657 14.83,25.657 ccw(c14.83,25.746) 14.92,25.746 14.92,25.819 cw(c15.01,25.819) 15.01,25.909 15.087,25.909 cw(c15.087,25.819) 15.177,25.819 15.177,25.786 ccw(c15.306,25.786) 15.306,25.657 15.794,25.657 15.906,25.769 16.046,25.909 18.987,25.909 21.307,23.59 21.307,22.693 21.7,22.3 v1(21.7,21.7)